# Altium PCB MCC17.PcbDoc (part 1 of 5)
Units mm, origin at the board's own origin, x right, y up, seen from the top; angles counter-clockwise.
Board outline 170 x 100 mm, 2 copper layers (Top Layer, Bottom Layer), stack 1.571 mm thick; 112 components, 68 nets, 349 pads, 74 vias.
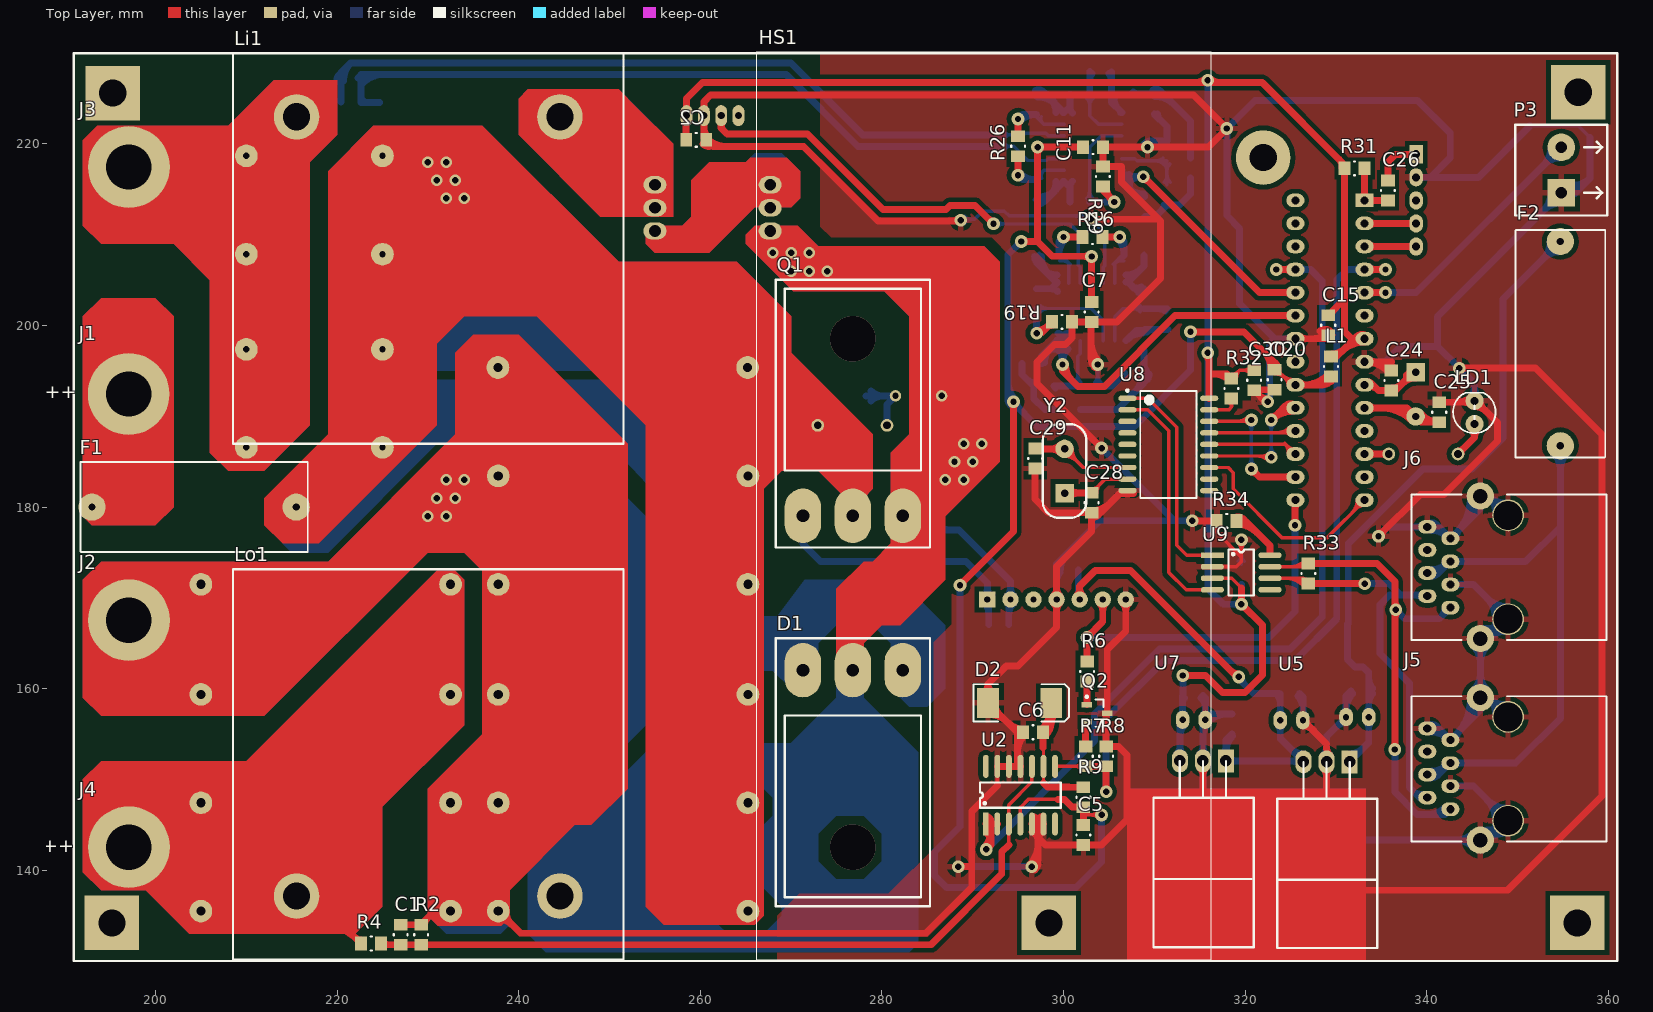
[diagram p0: Top Layer view]
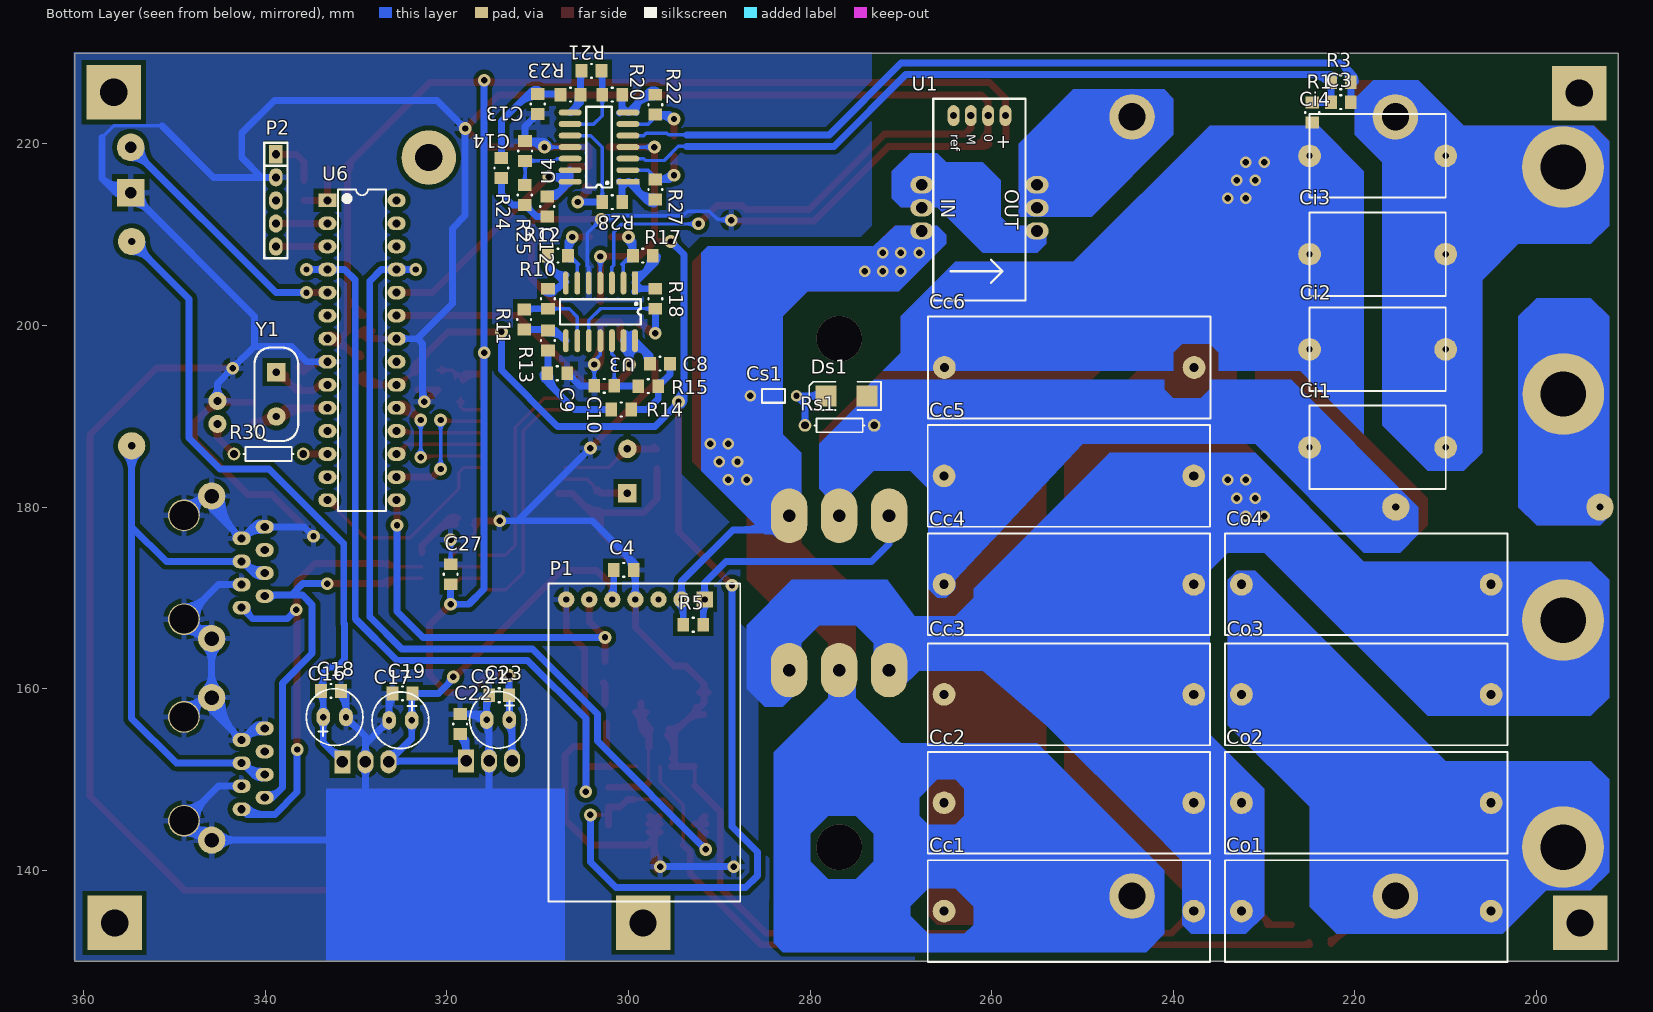
[diagram p1: Bottom Layer view, seen from below]
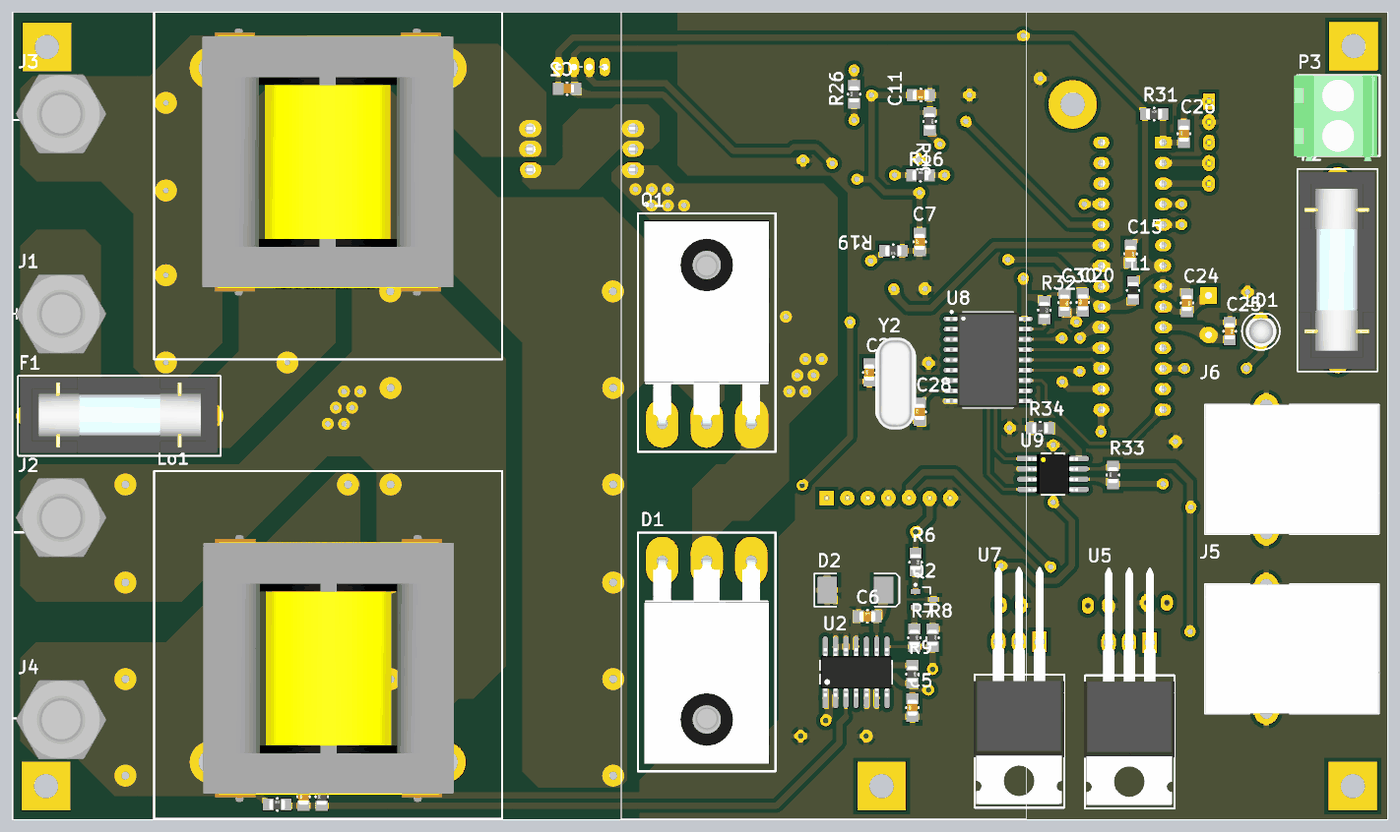
[diagram p6: 3D render of the assembled board from above, using the file's embedded part models]
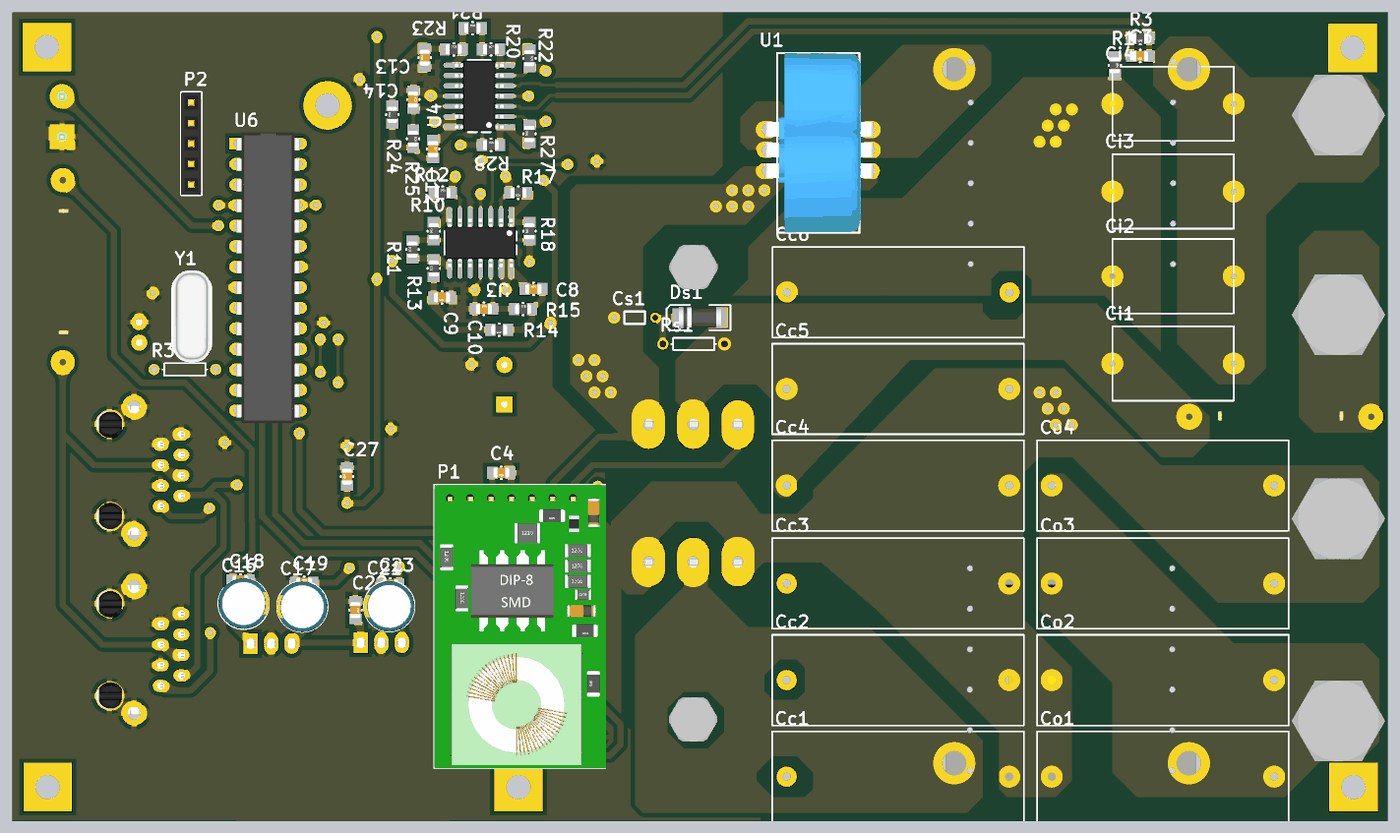
[diagram p7: 3D render of the assembled board from below, using the file's embedded part models]

## Layer stack, top to bottom
Top Layer: signal copper 0.0356
Dielectric: core 1.5, FR-4, Dk 4.8
Bottom Layer: signal copper 0.0356

## Board outline
191,130 361,130 361,230 191,230

## Design rules (kind name [scope] priority, off if disabled: settings)
Clearance [All] p1: gap=0.508
PlaneClearance [All] p1: clearance=0.635
PlaneConnect [All] p1: planeconnectstyle=Relief reliefexpansion=0.508 reliefentries=4 reliefconductorwidth=0.635 reliefairgap=0.254
PolygonConnect [All] p1: connectstyle=Relief reliefconductorwidth=0.635 reliefentries=4 polygonreliefangle="90 Angle"
RoutingVias [All] p1: holewidth=0.711 width=1.27 viastyle="Through Hole" minholewidth=0.711 minwidth=1.27 maxholewidth=5 maxwidth=5
SilkscreenOverComponentPads [All] p1: minsilkscreentomaskgap=0.254
SolderMaskExpansion [All] p1: expansion=0.102
Width [All] p1: maxlimit=1.524 minlimit=0.381 preferedwidth=0.762
25 further rules are at their usual default settings.

## Classes and differential pairs
component class signals: C7 C8 C9 C10 C11 C12 C13 C14 R10 R11 R12 R13 R14 R15 R16 R17 R18 R19 R20 R21 R22 R23 R24 R25 R26 R27 R28 R29 U3 U4
component class cuk: C1 C2 C3 C4 C5 C6 Cc1 Cc2 Cc3 Cc4 Cc5 Cc6 Ci1 Ci2 Ci3 Ci4 Co1 Co2 Co3 Co4 Cs1 D1 D2 Ds1 F1 HS1 J1 J2 J3 J4 Li1 Lo1 P1 Q1 Q2 R1 R2 R3 R4 R5 R6 R7 R8 R9 Rs1 U1 U2
component class atmega: C15 C16 C17 C18 C19 C20 C21 C22 C23 C24 C25 C26 C27 C28 C29 C30 F2 J5 J6 L1 LD1 P2 P3 R30 R31 R32 R33 R34 U5 U6 U7 U8 U9 Y1 Y2

## Components (designator, comment, footprint, x,y, rotation, side; value= is the part's Value field where it differs from the comment)
C1 "1nF" 0805C 227,132.9 r90 top
C2 "100nF" 0805C 259.55,220.45 r0 top
C3 "1nF" 0805C 221.55,224.6 r0 bottom
C4 "100nF" 0805C 300.525,173.075 r0 bottom
C5 "100nF" 0805C 302.2,143.9 r90 top
C6 "100nF" 0805C 296.65,155.2 r0 top
C7 "100nF" 0805C 303.1,201.5 r90 top
C8 "330p" 0805C 296.55,195.8 r180 bottom
C9 "330p" 0805C 307.85,194.75 r0 bottom
C10 "47p" 0805C 302.675,193.35 r180 bottom
C11 "100nF" 0805C 303.25,219.65 r180 top
C12 "330p" 0805C 308.95,213.1 r270 bottom
C13 "330p" 0805C 310,224.4 r90 bottom
C14 "47p" 0805C 311.4,219.225 r270 bottom
C15 "100nF" 0805C 329.165,200.025 r270 top
C16 "CapacitorPol" cap10uF16V 331.125,156.875 r0 bottom
C17 "CapacitorPol" cap10uF16V 326.375,156.525 r180 bottom
C18 "100nF" 0805C 332.775,159.75 r0 bottom
C19 "100nF" 0805C 324.9,159.475 r180 bottom
C20 "100nF" 0805C 323.25,194.025 r90 top
C21 "CapacitorPol" cap10uF16V 315.625,156.575 r180 bottom
C22 "100nF" 0805C 318.55,156.1 r270 bottom
C23 "100nF" 0805C 314.25,159.275 r180 bottom
C24 "22pF" 0805C 336.115,193.95 r270 top
C25 "22pF" 0805C 341.39,190.45 r270 top
C26 "100nF" 0805C 335.74,214.875 r90 top
C27 "100nF" 0805C 319.6,172.6 r90 bottom
C28 "22pF" 0805C 303.101,180.476 r90 top
C29 "22pF" 0805C 296.876,185.351 r90 top
C30 "100nF" 0805C 321,193.975 r270 top
Cc1 "Cap" "CAP4U7 EPCOS" 267.05,129.9 r180 bottom
Cc2 "Cap" "CAP4U7 EPCOS" 267.05,141.838 r180 bottom
Cc3 "Cap" "CAP4U7 EPCOS" 267.05,153.776 r180 bottom
Cc4 "Cap" "CAP4U7 EPCOS" 267.05,165.9 r180 bottom
Cc5 "Cap" "CAP4U7 EPCOS" 267.05,177.838 r180 bottom
Cc6 "Cap" "CAP4U7 EPCOS" 267.013,189.776 r180 bottom
Ci1 "Cap" cap4u7 210,186.581 r0 bottom
Ci2 "Cap" cap4u7 210,197.376 r0 bottom
Ci3 "Cap" cap4u7 210,207.852 r0 bottom
Ci4 "Cap" cap4u7 210,218.692 r0 bottom
Co1 "4.7uF" "CAP4U7 EPCOS" 203.2,141.1 r0 bottom
Co2 "4.7uF" "CAP4U7 EPCOS" 203.2,153.038 r0 bottom
Co3 "4.7uF" "CAP4U7 EPCOS" 234.3,153.776 r180 bottom
Co4 "4.7uF" "CAP4U7 EPCOS" 234.3,165.9 r180 bottom
Cs1 "15nF" 100nF 286.58,192.25 r180 bottom
D1 "60APU06" to-247ac_horizontal 276.804,142.542 r0 top
D2 "MMSZ5230BT1" DSO-C2/X3.3 295.175,158.45 r0 top
Ds1 "BYD77" DSO-C2/X2.3 276,192.25 r0 bottom
F1 "15A" "Porta Fusivel" 215.5,180 r180 top
F2 "250mA" "Porta Fusivel" 354.725,209.25 r270 top
HS1 "Heatsink" HS10425 266.25,130.148 r0 top locked
J1 "M6" Parafuso 196.913,192.456 r90 top locked
J2 "M6" Parafuso 197.202,167.544 r270 top locked
J3 "M6" Parafuso 197.202,217.456 r270 top locked
J4 "M6" Parafuso 197.202,142.544 r270 top locked
J5 "RJ45 (canbus)" "ASSMANN A-2004-2-4-LP/FS" 348.925,151.175 r90 top
J6 "RJ45 (canbus)" "ASSMANN A-2004-2-4-LP/FS" 348.925,173.375 r90 top
L1 "?H" 0805L 329.465,195.5 r90 top
LD1 "GREEN" LED3MM 345.275,189.16 r90 top
Li1 "Inductor" NEE-42-20-DEITADO 230.044,222.98 r0 top locked
Lo1 "Inductor" NEE-42-20-DEITADO 230.044,137.16 r180 top locked
P1 "Driver (INEP)" "Driver INEP" 288.196,171.095 r0 bottom
P2 "USART" HDR1X5 338.84,218.855 r270 bottom
P3 "KRE 2" KRE_2 354.825,214.625 r90 top
Q1 "IRFP4321" to-247ac_horizontal 276.804,198.542 r180 top
Q2 "BCV27" SOT95P240-3N 303.7,157.3 r0 top
R1 "470k" 0805R 224.7,223.45 r270 bottom
R2 "47k" 0805R 229.25,132.9 r90 top
R3 "22k" 0805R 221.55,226.8 r0 bottom
R4 "560k" 0805R 223.75,131.937 r0 top
R5 "10k" 0805R 292.875,167.05 r180 bottom
R6 "100R" 0805R 302.6,161.9 r270 top
R7 "100R" 0805R 302.45,152.55 r270 top
R8 "10k" 0805R 304.7,152.55 r270 top
R9 "100k" 0805R 302.2,148.05 r270 top
R10 "100k" 0805R 308.875,202.95 r90 bottom
R11 "100k" 0805R 311.5,200.675 r90 bottom
R12 "100k" 0805R 307.775,207.7 r180 bottom
R13 "100k" 0805R 308.875,198.35 r90 bottom
R14 "100k" 0805R 300.8,190.75 r0 bottom
R15 "100k" 0805R 297.825,193.325 r180 bottom
R16 "100k" 0805R 303.2,209.75 r0 top
R17 "100k" 0805R 298.425,207.7 r0 bottom
R18 "100k" 0805R 297.05,202.95 r90 bottom
R19 "100k" 0805R 299.85,200.4 r180 top
R20 "100k" 0805R 301.8,225.425 r180 bottom
R21 "100k" 0805R 304.075,228.05 r180 bottom
R22 "100k" 0805R 297.05,224.325 r270 bottom
R23 "100k" 0805R 306.4,225.425 r180 bottom
R24 "100k" 0805R 314,217.35 r90 bottom
R25 "100k" 0805R 311.425,214.375 r270 bottom
R26 "100k" 0805R 295,219.75 r90 top
R27 "100k" 0805R 297.05,214.975 r90 bottom
R28 "100k" 0805R 301.8,213.6 r180 bottom
R29 "100k" 0805R 304.35,216.4 r270 top
R30 "470" AXIAL-0.3 339.64,185.85 r180 bottom
R31 "10k" 0805R 332.065,217.3 r0 top
R32 "10k" 0805R 318.501,193.076 r270 top
R33 "120" 0805R 326.974,172.674 r90 top
R34 "10k" 0805R 317.975,178.475 r180 top
Rs1 "1R" AXIAL-0.3 276.75,189 r180 bottom
U1 "LTSP 25-NP" "LTSP 25-NP" 267.7,215.5 r270 bottom locked
U2 "LP324M" SOIC14-150(50) 291.45,145.1 r270 top
U3 "LP324M" SOIC14-150(50) 299.29,204.675 r90 bottom
U4 "LP324M" SOIC14-150(50) 300.075,215.84 r180 bottom
U5 "LM7812" TO220_deitado 328.975,147.95 r180 top locked
U6 "ATmega328P" DIP28-300(100) 333.165,213.785 r270 bottom
U7 "LM7805" TO220_deitado 315.36,148.05 r180 top
U8 "MCP2515-E/SO" WSO18_L 311.551,186.901 r0 top
U9 "MCP2551-I/SN" SOIC08-150(50) 316.399,174.699 r270 top
Y1 "16MHz" HC49-US-THT 338.79,192.425 r270 bottom
Y2 "16MHz" HC49-US-THT 300.126,183.976 r90 top

## Footprints (in the part's own frame and the unit in brackets; to place one, negate y for a bottom-side part, rotate by r counter-clockwise, add the part's x,y. Pads: shape width x height; smd on the part's side, far side on the other; paste and mask are expansions set on the pad)
100nF [mm]
  round 1.27 hole 0.7: 1(0,0) 2(5.08,0)
  silkscreen extent 1.27,-0.76 3.81,0.76
0805C [mm] "Chip Capacitor; Body 2 x 1.3 mm (LxW typ)"
  rect 1.3x1.5 smd: 1(-1.1,0) 2(1.1,0)
  silkscreen extent -0.05,-0.76 0.05,0.76, body extent -1,-0.64 1,0.62, height 0.78
0805L [mm] "Chip Inductor; Body 2 x 1.3 mm (LxW typ)"
  rect 1.3x1.5 smd: 1(-1.1,0) 2(1.1,0)
  silkscreen extent -0.05,-0.76 0.05,0.76, body extent -1,-0.61 1,0.59, height 0.95
0805R [mm] "Chip Resistor; Body 2 x 1.3 mm (LxW typ)"
  rect 1.3x1.5 smd: 1(-1.1,0) 2(1.1,0)
  silkscreen extent -0.05,-0.76 0.05,0.76, body extent -1.01,-0.63 0.99,0.63, height 0.8
"ASSMANN A-2004-2-4-LP/FS" [mm]
  oval 1.5x2 hole 0.9: 1(-4.445,6.31) 2(-3.175,8.85) 3(-1.905,6.31) 4(-0.635,8.85) 5(0.635,6.31) 6(1.905,8.85) 7(3.175,6.31) 8(4.445,8.85)
  round 3 hole 1.6: S(-7.855,3.01) S(7.845,3.01)
  round 3.5 hole 3.2: S(-5.715,-0.04) S(5.715,-0.04)
  silkscreen extent -8,-10.9 8,10.6, body extent -8,-10.9 8,10.6, height 13.6
AXIAL-0.3 [mm] "Axial Device, Thru-Hole; 2 Leads; 0.3 in Pin Spacing"
  round 1.4 hole 0.85: 1(-3.81,0) 2(3.81,0)
  silkscreen extent -2.77,-0.76 2.77,0.76
cap4u7 [mm] "9.2x16.3mm"
  round 2.5 hole 0.7: 1(0,0) 2(15,0)
  silkscreen extent 0,-4.6 15,4.6, body extent -0.1,-4.7 15.1,4.7, height 15
"CAP4U7 EPCOS" [mm] "30x11"
  round 2.5 hole 1: 1(1.8,5.6) 2(29.3,5.6)
  silkscreen extent 0,0 31.1,11.2, body extent -0.1,-0.1 31.2,11.3, height 20
cap10uF16V [mm]
  oval 1.5x2 hole 0.7: 1(2.5,0) 2(0,0)
  silkscreen extent -1.88,-3.13 4.38,3.13, body extent -1.91,-3.18 4.4,3.12, height 10.51
DIP28-300(100) [mm] "DIP, 28-Leads, Row Spacing 7.62mm, Pitch 2.54mm, Body 34.67x7.3mm"
  rect 1.5x2 hole 0.9: 1(0,0)
  oval 1.5x2 hole 0.9: 2(2.54,0) 3(5.08,0) 4(7.62,0) 5(10.16,0) 6(12.7,0) 7(15.24,0) 8(17.78,0) 9(20.32,0) 10(22.86,0) 11(25.4,0) 12(27.94,0) 13(30.48,0) 14(33.02,0) 15(33.02,7.62) 16(30.48,7.62) 17(27.94,7.62) 18(25.4,7.62) 19(22.86,7.62) 20(20.32,7.62) 21(17.78,7.62) 22(15.24,7.62) 23(12.7,7.62) 24(10.16,7.62) 25(7.62,7.62) 26(5.08,7.62) 27(2.54,7.62) 28(0,7.62)
  silkscreen extent -1.19,1.16 34.21,6.46, body extent -1.4,-0.13 34.6,7.74, height 5.08
"Driver INEP" [mm] "Connector; Header; 7 Position"
  rect 1.8x1.8 hole 0.7: 1(3.429,1.27)
  round 1.8 hole 0.7: 2(5.969,1.27) 3(8.509,1.27) 4(11.049,1.27) 5(13.589,1.27) 6(16.129,1.27) 7(18.669,1.27)
  silkscreen extent -0.51,-0.51 20.62,34.54, body extent -0.6,-0.48 20.61,34.57, height 10.03
DSO-C2/X2.3 [mm] "DO-214-AA/SMB; 2 C-Bend Leads; Body 5.3 x 3.6 mm, inc. leads (LxW)"
  rect 2.3x2.3 smd: 1(-2.25,0) 2(2.25,0)
  silkscreen extent -3.8,-1.55 4.1,1.55, body extent -2.62,-1.35 2.58,1.32, height 2.64
DSO-C2/X3.3 [mm] "DO-214-AB/SMC; 2 C-Bend Leads; Body 7.9 x 5.9 mm, inc. leads (LxW)"
  rect 2.4x3.3 smd: 1(-3.475,0) 2(3.475,0)
  silkscreen extent -5.07,-2.05 5.43,2.05
HC49-US-THT [mil] "THT Quartz Crystal"
  rect 80x80 hole 32: 1(-96.06,0)
  round 80 hole 32: 2(96.06,0)
  silkscreen extent -203,-94 203,94, body extent -223,-91 224,92, height 138
HDR1X5 [mm] "Connector; Header; 5 Position"
  rect 2x1.5 hole 0.9: 1(0,0)
  oval 2x1.5 hole 0.9: 2(2.54,0) 3(5.08,0) 4(7.62,0) 5(10.16,0)
  silkscreen extent -1.27,-1.27 11.43,1.27, body extent -1.27,-1.27 11.43,1.23, height 8.4
HS10425 [mm]
  silkscreen extent -0.01,0 50,100, body extent 0,0 50,100, height 30
KRE_2 [mil] "Terminal Block 2 pins"
  rect 120x120 hole 50: 1(0,0)
  round 120 hole 50: 2(196.85,0)
  silkscreen extent -98,-200 295,200, body extent -123,-190 294,216, height 559
LED3MM [mm]
  round 2 hole 0.889: 1(0,0) 2(2.54,0)
  silkscreen extent -1.03,-2.31 3.43,2.36, body extent -0.63,-1.9 2.87,1.9, height 5.5
"LTSP 25-NP" [mm] "Current Transducer (25 A)"
  oval 1.9x2.54 hole 1.3 unplated: 1(0,12.7) 2(2.54,12.7) 3(5.08,12.7) 4(5.08,0) 5(2.54,0) 6(0,0)
  oval 2.3x1.3 hole 0.8 unplated: 7(-7.62,9.21) 8(-7.62,7.305) 9(-7.62,5.4) 10(-7.62,3.495)
  silkscreen extent -9.46,1.27 12.74,11.43, body extent -9.49,-0.29 12.71,13.21, height 24.02
NEE-42-20-DEITADO [mm]
  round 5 hole 3: 1(-14.5,0) 2(14.5,0)
  silkscreen extent -21.5,-36 21.5,7, body extent -15.55,-28.1 15.45,4.9, height 23.46
Parafuso [mm]
  round 9 hole 5: 1(0,-0.127)
  body extent -4.85,-5.92 5.15,5.63, height 4.74
"Porta Fusivel" [mm]
  round 3 hole 0.8: 1(0,0) 2(22.5,0)
  silkscreen extent -1.27,-4.95 23.77,4.95, body extent -0.9,-4.8 23.5,4.6, height 12.6
SOIC08-150(50) [mm] "SOIC; 8 Leads; Row Spacing 3.81 mm; Pitch 1.27 mm; 3D Antonio Fagaldo"
  rect 0.635x2.54 smd: 1(0,0)
  oval 0.635x2.54 smd: 2(1.27,0) 3(2.54,0) 4(3.81,0) 5(3.81,6.35) 6(2.54,6.35) 7(1.27,6.35) 8(0,6.35)
  silkscreen extent -0.64,1.78 4.44,4.57, body extent -0.51,0.11 4.38,6.24, height 1.76
SOIC14-150(50) [mm] "Plastic Small Outline 14 pinos"
  rect 2.54x0.635 smd: 1(0,0)
  oval 2.54x0.635 smd: 2(0,1.27) 3(0,2.54) 4(0,3.81) 5(0,5.08) 6(0,6.35) 7(0,7.62) 8(-6.35,7.62) 9(-6.35,6.35) 10(-6.35,5.08) 11(-6.35,3.81) 12(-6.35,2.54) 13(-6.35,1.27) 14(-6.35,0)
  silkscreen extent -4.57,-0.64 -1.78,8.25, body extent -6.18,-0.57 -0.18,8.19, height 1.75
SOT95P240-3N [mm] "SOT23, 3-Leads, Body 2.9x1.3mm, Pitch 0.95mm, Lead Span 2.4mm, IPC Medium Density"
  rect 1.15x0.6 smd: 1(-1.125,0.95) 2(-1.125,-0.95) 3(1.125,0)
  silkscreen extent -1.25,-1.5 0.7,1.92, body extent -0.7,-1.5 0.7,1.5, height 1.14
TO220_deitado [mm]
  rect 1.778x2.54 hole 1.27: 1(-2.54,-4)
  oval 1.778x2.54 hole 1.27: 2(0,-4) 3(2.54,-4)
  silkscreen extent -5.59,-3.95 5.44,16.51, body extent -5.63,-13.27 5.59,16.06, height 4.71
to-247ac_horizontal [mm]
  oval 4x6 hole 1.4: 1(5.5,19.5) 2(0,19.5) 3(-5.5,19.5)
  silkscreen extent -8.5,-6.5 8.5,23, body extent -7.75,-5.6 7.75,19.8, height 5
WSO18_L [mm] "18-Pin Small Outline Integrated Circuit 1.27 mm Pitch, IPC High Density"
  oval 2x0.6 smd: 1(-4.5,5.08) 2(-4.5,3.81) 3(-4.5,2.54) 4(-4.5,1.27) 5(-4.5,0) 6(-4.5,-1.27) 7(-4.5,-2.54) 8(-4.5,-3.81) 9(-4.5,-5.08) 10(4.5,-5.08) 11(4.5,-3.81) 12(4.5,-2.54) 13(4.5,-1.27) 14(4.5,0) 15(4.5,1.27) 16(4.5,2.54) 17(4.5,3.81) 18(4.5,5.08)
  silkscreen extent -4.62,-5.9 3.1,6.05, body extent -5.21,-5.87 5.19,5.88, height 2.82

## Part data
C1 C2 C3 C4 C5 C6 C7 C8 C9 C10 C11 C12 C13 C14 Co1 Co2 Co3 Co4 Cs1: library part Cap, "Capacitor"
C15 C18 C19 C20 C22 C23 C24 C25 C26 C27 C28 C29 C30: library part Cap_0805, "Capacitor"
C16 C17 C21: "Solid Aluminum Capacitor with Organic Semiconductor Electrolyte: 100uF, 10V, Bulk Pack"
Cc1 Cc2 Cc3 Cc4 Cc5 Cc6 Ci1 Ci2 Ci3 Ci4: "Capacitor"
D2: library part Diode, "Zener smd 3.9V"
Ds1: library part "Diode 1N4002", "1 Amp General Purpose Rectifier"
F1: library part "Fuse 1", "Fuse 5x20"
F2: library part "Fuse 1", "Fuse"
HS1: library part Antenna, "Generic Antenna"
J1 J2 J3 J4: library part PIN_BIG
J5 J6: library part "Modular Jack with Shield", "YH-59-01"
L1: library part Ind_0805, "Inductor"
LD1: library part LED_0805, "LED"
P1: library part Driver_INEP, "Driver INEP (Soeiro)"
P2: library part "Header 5", "Header, 5-Pin"
P3: library part KRE_2, "Terminal Block 1x2"
Q1: library part IRFP260, "HEXFET Power MOSFET"
Q2: library part NPN1, "NPN Darlington Bipolar Transistor"
R1 R2 R3 R4 R5 R6 R7 R8 R9 R10 R11 R12 R13 R14 R15 R16 R17 R18 R19 R20 R21 R22 R23 R24 R25 R26 R27 R28 R29 Rs1: library part Res1, "Resistor"
R30 R31 R32 R33 R34: library part Res_0805, "Resistor"
U1: "Current Transducer LTSP (25 A)"
U2 U3 U4: "Micropower Quad Operational Amplifier"
U5 U7: library part µA7805CKC, "Positive-Voltage Regulator"
U6: "8-bit AVR Microcontroller, 32KB Flash, 1KB EEPROM, 2KB SRAM, 28-pin PDIP, Industrial Grade (-40°C to 85°C)"
U8: library part CMP-0186-00035-2, "Stand-Alone CAN Controller With SPI Interface, 18-Pin SOIC, Extended Temperature"
U9: library part CMP-1721-00003-1, "High-Speed CAN Transceiver, / 1 Mb/s, 4.5 to 5.5 V, 8-Pin SOIC (SN), Industrial Temperature, RoHS, Tube"
Y1 Y2: library part Crystal, "Crystal"

## Free pads (board coordinates)
  rect 6x6 hole 3 unplated: 3(195.2,134.2) 3(195.3,225.6) 3(298.4,134.2) 3(356.6,134.2) 3(356.7,225.7)
  round 6 hole 3 unplated: 3(322,218.5)

## Via types
v1: diameter 1.4, hole 0.7, Top Layer to Bottom Layer, 48 vias
v2: diameter 1.27, hole 0.711, Top Layer to Bottom Layer, 24 vias
v3: diameter 5, hole 5, Top Layer to Bottom Layer, 2 vias
